# Altium PCB PCB2.PcbDoc (part 2 of 9) (continued)
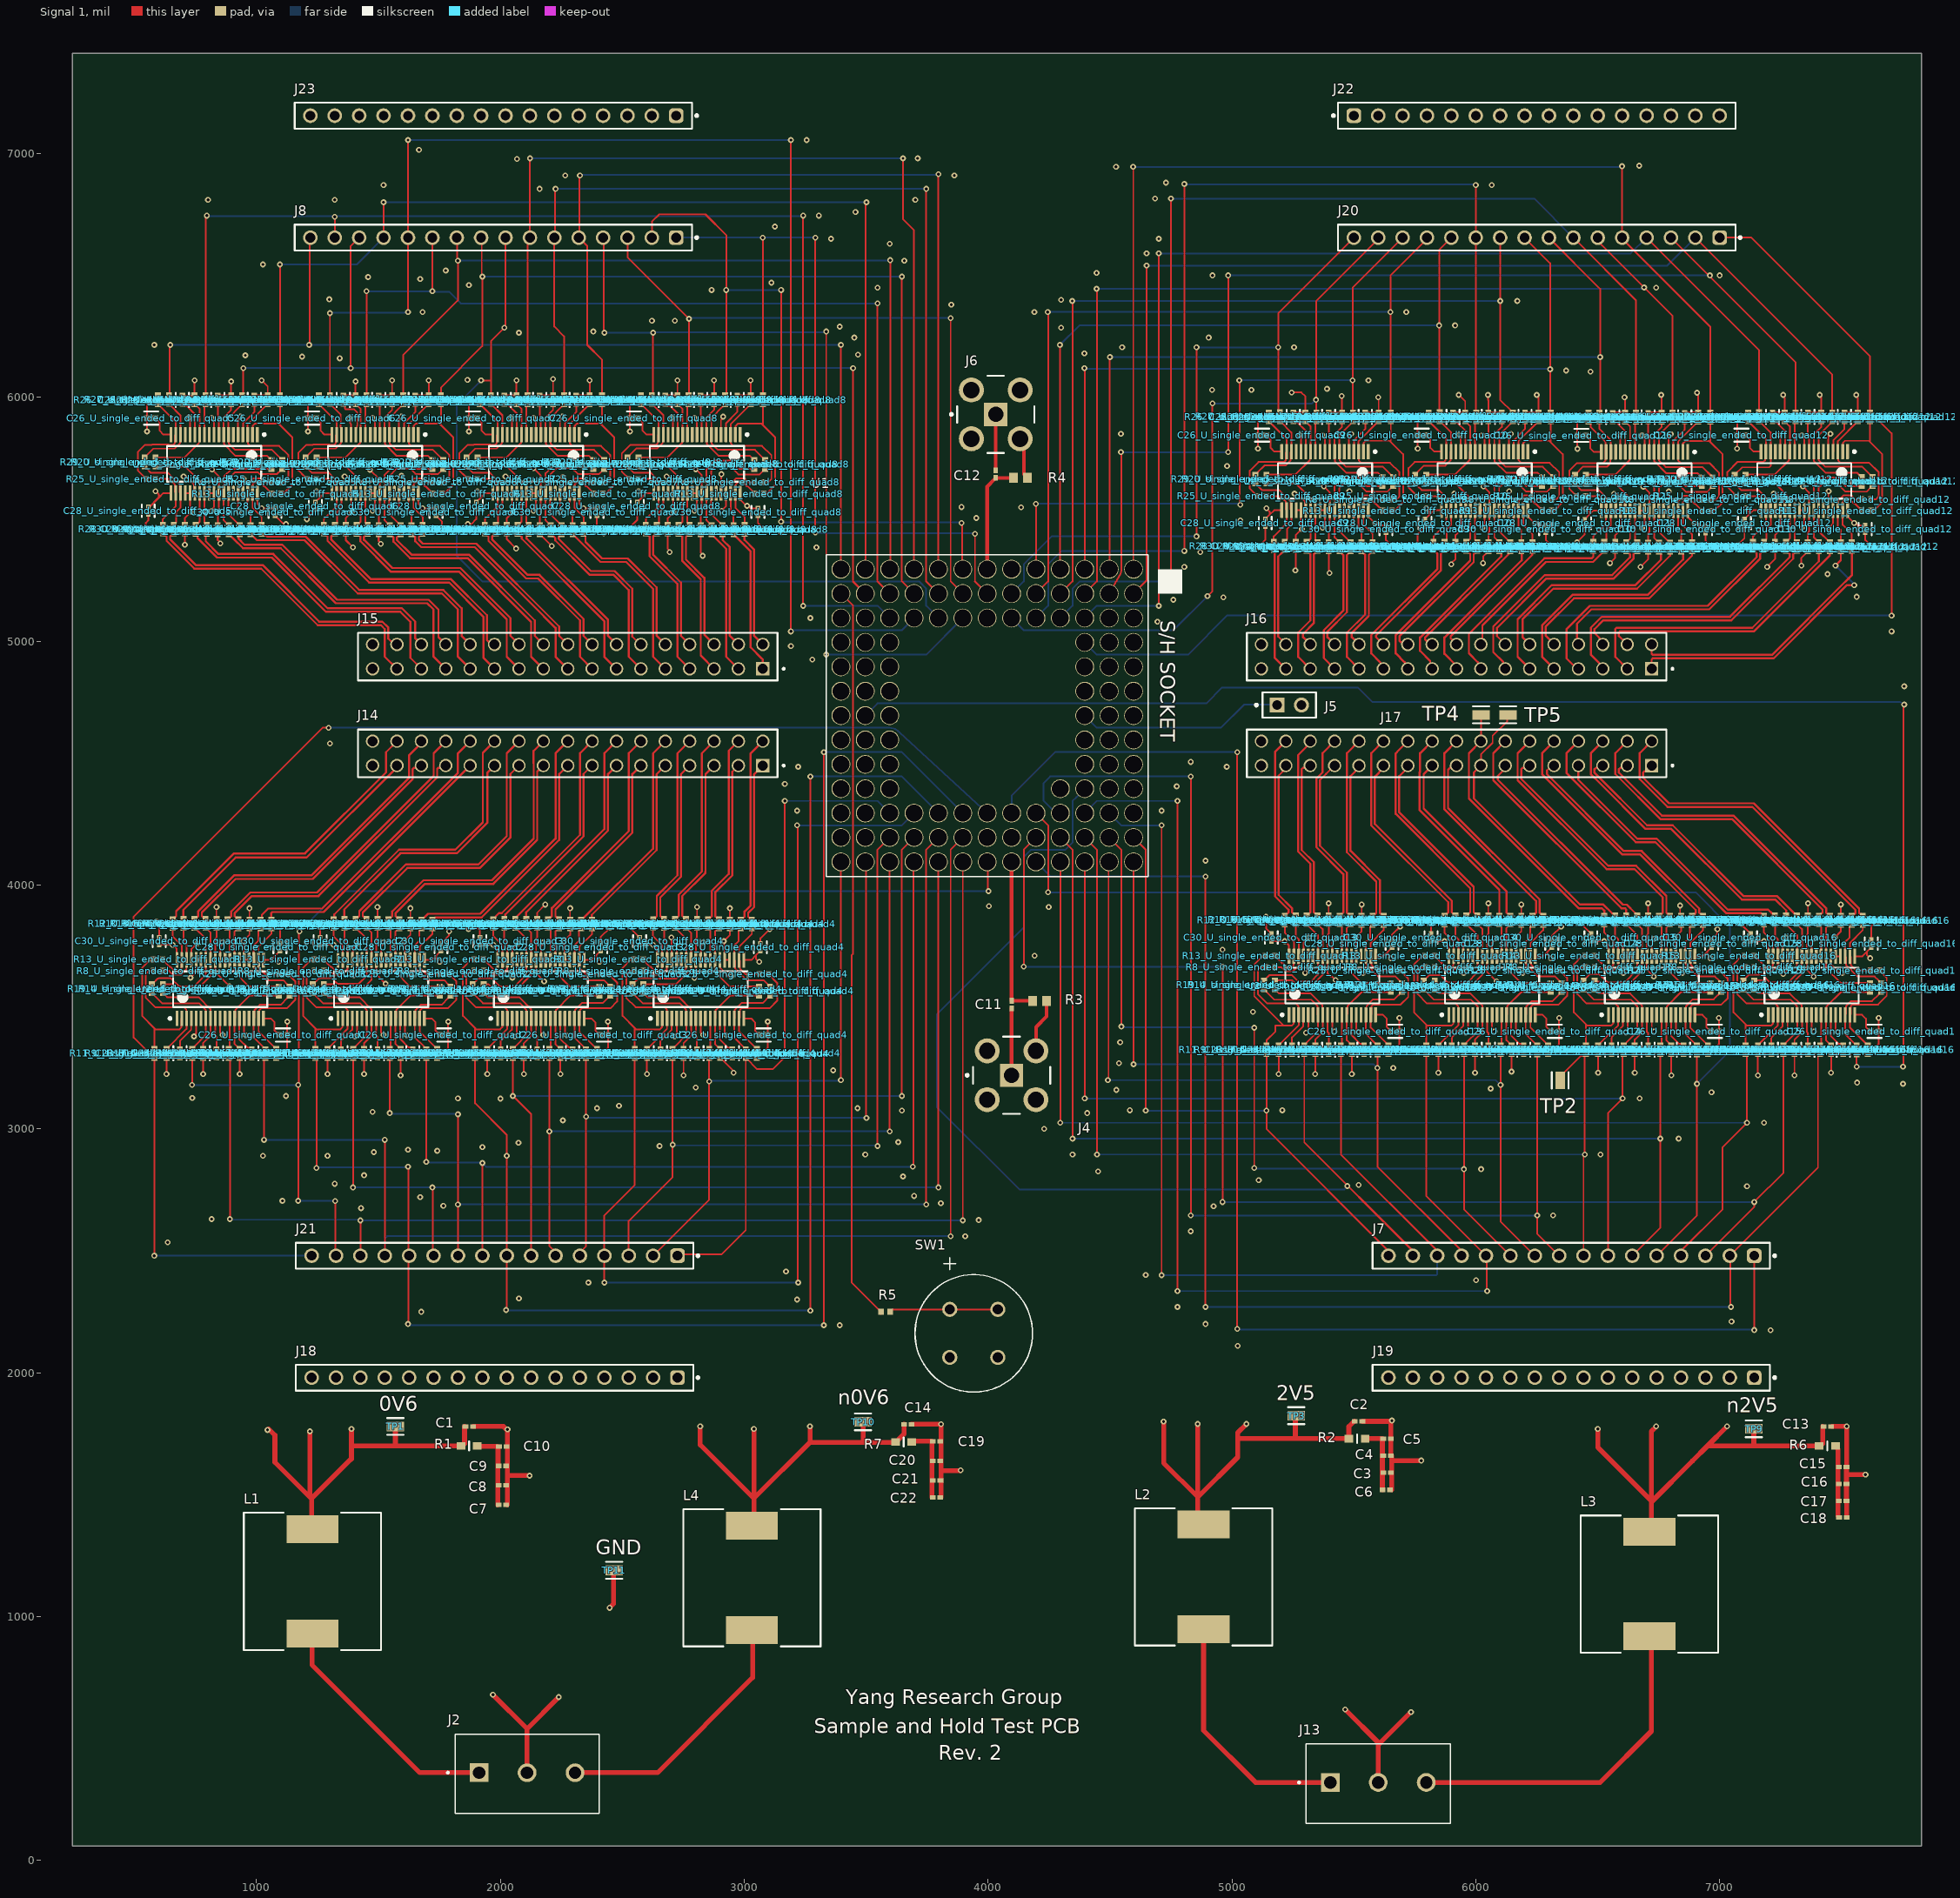
[diagram p0: Signal 1 view]
## Components (designator, comment, footprint, x,y, rotation, side; value= is the part's Value field where it differs from the comment) (continued)
R22_U_single_ended_to_diff_quad1 "RC0402FR-0749R9L" "Res 0402" 926.68,3841.1 r270 top (schematic designator R22)
R22_U_single_ended_to_diff_quad2 "RC0402FR-0749R9L" "Res 0402" 1586.68,3841.1 r270 top (schematic designator R22)
R22_U_single_ended_to_diff_quad3 "RC0402FR-0749R9L" "Res 0402" 2241.68,3841.1 r270 top (schematic designator R22)
R22_U_single_ended_to_diff_quad4 "RC0402FR-0749R9L" "Res 0402" 2896.68,3841.1 r270 top (schematic designator R22)
R22_U_single_ended_to_diff_quad5 "RC0402FR-0749R9L" "Res 0402" 751.68,5458.9 r90 top (schematic designator R22)
R22_U_single_ended_to_diff_quad6 "RC0402FR-0749R9L" "Res 0402" 1411.68,5458.9 r90 top (schematic designator R22)
R22_U_single_ended_to_diff_quad7 "RC0402FR-0749R9L" "Res 0402" 2071.68,5458.9 r90 top (schematic designator R22)
R22_U_single_ended_to_diff_quad8 "RC0402FR-0749R9L" "Res 0402" 2731.68,5458.9 r90 top (schematic designator R22)
R22_U_single_ended_to_diff_quad9 "RC0402FR-0749R9L" "Res 0402" 5306.68,5388.9 r90 top (schematic designator R22)
R22_U_single_ended_to_diff_quad10 "RC0402FR-0749R9L" "Res 0402" 5961.68,5388.9 r90 top (schematic designator R22)
R22_U_single_ended_to_diff_quad11 "RC0402FR-0749R9L" "Res 0402" 6616.68,5387.8 r90 top (schematic designator R22)
R22_U_single_ended_to_diff_quad12 "RC0402FR-0749R9L" "Res 0402" 7271.68,5388.9 r90 top (schematic designator R22)
R22_U_single_ended_to_diff_quad13 "RC0402FR-0749R9L" "Res 0402" 5486.68,3856.1 r270 top (schematic designator R22)
R22_U_single_ended_to_diff_quad14 "RC0402FR-0749R9L" "Res 0402" 6141.68,3856.1 r270 top (schematic designator R22)
R22_U_single_ended_to_diff_quad15 "RC0402FR-0749R9L" "Res 0402" 6796.68,3856.1 r270 top (schematic designator R22)
R22_U_single_ended_to_diff_quad16 "RC0402FR-0749R9L" "Res 0402" 7451.68,3856.1 r270 top (schematic designator R22)
R23_U_single_ended_to_diff_quad1 "ERA-2AEB4990X" "Res 0402" 886.68,3310 r90 top (schematic designator R23)
R23_U_single_ended_to_diff_quad2 "ERA-2AEB4990X" "Res 0402" 1546.68,3310 r90 top (schematic designator R23)
R23_U_single_ended_to_diff_quad3 "ERA-2AEB4990X" "Res 0402" 2201.68,3310 r90 top (schematic designator R23)
R23_U_single_ended_to_diff_quad4 "ERA-2AEB4990X" "Res 0402" 2856.68,3310 r90 top (schematic designator R23)
R23_U_single_ended_to_diff_quad5 "ERA-2AEB4990X" "Res 0402" 791.68,5990 r270 top (schematic designator R23)
R23_U_single_ended_to_diff_quad6 "ERA-2AEB4990X" "Res 0402" 1451.68,5990 r270 top (schematic designator R23)
R23_U_single_ended_to_diff_quad7 "ERA-2AEB4990X" "Res 0402" 2111.68,5990 r270 top (schematic designator R23)
R23_U_single_ended_to_diff_quad8 "ERA-2AEB4990X" "Res 0402" 2771.68,5990 r270 top (schematic designator R23)
R23_U_single_ended_to_diff_quad9 "ERA-2AEB4990X" "Res 0402" 5346.68,5920 r270 top (schematic designator R23)
R23_U_single_ended_to_diff_quad10 "ERA-2AEB4990X" "Res 0402" 6001.68,5920 r270 top (schematic designator R23)
R23_U_single_ended_to_diff_quad11 "ERA-2AEB4990X" "Res 0402" 6656.68,5918.9 r270 top (schematic designator R23)
R23_U_single_ended_to_diff_quad12 "ERA-2AEB4990X" "Res 0402" 7311.68,5920 r270 top (schematic designator R23)
R23_U_single_ended_to_diff_quad13 "ERA-2AEB4990X" "Res 0402" 5446.68,3325 r90 top (schematic designator R23)
R23_U_single_ended_to_diff_quad14 "ERA-2AEB4990X" "Res 0402" 6101.68,3325 r90 top (schematic designator R23)
R23_U_single_ended_to_diff_quad15 "ERA-2AEB4990X" "Res 0402" 6756.68,3325 r90 top (schematic designator R23)
R23_U_single_ended_to_diff_quad16 "ERA-2AEB4990X" "Res 0402" 7411.68,3325 r90 top (schematic designator R23)
R24_U_single_ended_to_diff_quad1 "RC0402FR-0749R9L" "Res 0402" 881.68,3841.69 r270 top (schematic designator R24)
R24_U_single_ended_to_diff_quad2 "RC0402FR-0749R9L" "Res 0402" 1541.68,3841.69 r270 top (schematic designator R24)
R24_U_single_ended_to_diff_quad3 "RC0402FR-0749R9L" "Res 0402" 2196.68,3841.69 r270 top (schematic designator R24)
R24_U_single_ended_to_diff_quad4 "RC0402FR-0749R9L" "Res 0402" 2851.68,3841.69 r270 top (schematic designator R24)
R24_U_single_ended_to_diff_quad5 "RC0402FR-0749R9L" "Res 0402" 796.68,5458.31 r90 top (schematic designator R24)
R24_U_single_ended_to_diff_quad6 "RC0402FR-0749R9L" "Res 0402" 1456.68,5458.31 r90 top (schematic designator R24)
R24_U_single_ended_to_diff_quad7 "RC0402FR-0749R9L" "Res 0402" 2116.68,5458.31 r90 top (schematic designator R24)
R24_U_single_ended_to_diff_quad8 "RC0402FR-0749R9L" "Res 0402" 2776.68,5458.31 r90 top (schematic designator R24)
R24_U_single_ended_to_diff_quad9 "RC0402FR-0749R9L" "Res 0402" 5351.68,5388.31 r90 top (schematic designator R24)
R24_U_single_ended_to_diff_quad10 "RC0402FR-0749R9L" "Res 0402" 6006.68,5388.31 r90 top (schematic designator R24)
R24_U_single_ended_to_diff_quad11 "RC0402FR-0749R9L" "Res 0402" 6661.68,5387.2 r90 top (schematic designator R24)
R24_U_single_ended_to_diff_quad12 "RC0402FR-0749R9L" "Res 0402" 7316.68,5388.31 r90 top (schematic designator R24)
R24_U_single_ended_to_diff_quad13 "RC0402FR-0749R9L" "Res 0402" 5441.68,3856.69 r270 top (schematic designator R24)
R24_U_single_ended_to_diff_quad14 "RC0402FR-0749R9L" "Res 0402" 6096.68,3856.69 r270 top (schematic designator R24)
R24_U_single_ended_to_diff_quad15 "RC0402FR-0749R9L" "Res 0402" 6751.68,3856.69 r270 top (schematic designator R24)
R24_U_single_ended_to_diff_quad16 "RC0402FR-0749R9L" "Res 0402" 7406.68,3856.69 r270 top (schematic designator R24)
R25_U_single_ended_to_diff_quad1 "ERA-2AEB4990X" "Res 0402" 1111.68,3635 r180 top (schematic designator R25)
R25_U_single_ended_to_diff_quad2 "ERA-2AEB4990X" "Res 0402" 1771.68,3635 r180 top (schematic designator R25)
R25_U_single_ended_to_diff_quad3 "ERA-2AEB4990X" "Res 0402" 2426.68,3635 r180 top (schematic designator R25)
R25_U_single_ended_to_diff_quad4 "ERA-2AEB4990X" "Res 0402" 3081.68,3635 r180 top (schematic designator R25)
R25_U_single_ended_to_diff_quad5 "ERA-2AEB4990X" "Res 0402" 566.68,5665 r0 top (schematic designator R25)
R25_U_single_ended_to_diff_quad6 "ERA-2AEB4990X" "Res 0402" 1226.68,5665 r0 top (schematic designator R25)
R25_U_single_ended_to_diff_quad7 "ERA-2AEB4990X" "Res 0402" 1886.68,5665 r0 top (schematic designator R25)
R25_U_single_ended_to_diff_quad8 "ERA-2AEB4990X" "Res 0402" 2546.68,5665 r0 top (schematic designator R25)
R25_U_single_ended_to_diff_quad9 "ERA-2AEB4990X" "Res 0402" 5121.68,5595 r0 top (schematic designator R25)
R25_U_single_ended_to_diff_quad10 "ERA-2AEB4990X" "Res 0402" 5776.68,5595 r0 top (schematic designator R25)
R25_U_single_ended_to_diff_quad11 "ERA-2AEB4990X" "Res 0402" 6431.68,5593.9 r0 top (schematic designator R25)
R25_U_single_ended_to_diff_quad12 "ERA-2AEB4990X" "Res 0402" 7086.68,5595 r0 top (schematic designator R25)
R25_U_single_ended_to_diff_quad13 "ERA-2AEB4990X" "Res 0402" 5671.68,3650 r180 top (schematic designator R25)
R25_U_single_ended_to_diff_quad14 "ERA-2AEB4990X" "Res 0402" 6326.68,3650 r180 top (schematic designator R25)
R25_U_single_ended_to_diff_quad15 "ERA-2AEB4990X" "Res 0402" 6981.68,3650 r180 top (schematic designator R25)
R25_U_single_ended_to_diff_quad16 "ERA-2AEB4990X" "Res 0402" 7636.68,3650 r180 top (schematic designator R25)
R26_U_single_ended_to_diff_quad1 "ERA-2AEB4990X" "Res 0402" 1081.68,3310 r90 top (schematic designator R26)
R26_U_single_ended_to_diff_quad2 "ERA-2AEB4990X" "Res 0402" 1741.68,3310 r90 top (schematic designator R26)
R26_U_single_ended_to_diff_quad3 "ERA-2AEB4990X" "Res 0402" 2396.68,3310 r90 top (schematic designator R26)
R26_U_single_ended_to_diff_quad4 "ERA-2AEB4990X" "Res 0402" 3051.68,3310 r90 top (schematic designator R26)
R26_U_single_ended_to_diff_quad5 "ERA-2AEB4990X" "Res 0402" 596.68,5990 r270 top (schematic designator R26)
R26_U_single_ended_to_diff_quad6 "ERA-2AEB4990X" "Res 0402" 1256.68,5990 r270 top (schematic designator R26)
R26_U_single_ended_to_diff_quad7 "ERA-2AEB4990X" "Res 0402" 1916.68,5990 r270 top (schematic designator R26)
R26_U_single_ended_to_diff_quad8 "ERA-2AEB4990X" "Res 0402" 2576.68,5990 r270 top (schematic designator R26)
R26_U_single_ended_to_diff_quad9 "ERA-2AEB4990X" "Res 0402" 5151.68,5920 r270 top (schematic designator R26)
R26_U_single_ended_to_diff_quad10 "ERA-2AEB4990X" "Res 0402" 5806.68,5920 r270 top (schematic designator R26)
R26_U_single_ended_to_diff_quad11 "ERA-2AEB4990X" "Res 0402" 6461.68,5918.9 r270 top (schematic designator R26)
R26_U_single_ended_to_diff_quad12 "ERA-2AEB4990X" "Res 0402" 7116.68,5920 r270 top (schematic designator R26)
R26_U_single_ended_to_diff_quad13 "ERA-2AEB4990X" "Res 0402" 5641.68,3325 r90 top (schematic designator R26)
R26_U_single_ended_to_diff_quad14 "ERA-2AEB4990X" "Res 0402" 6296.68,3325 r90 top (schematic designator R26)
R26_U_single_ended_to_diff_quad15 "ERA-2AEB4990X" "Res 0402" 6951.68,3325 r90 top (schematic designator R26)
R26_U_single_ended_to_diff_quad16 "ERA-2AEB4990X" "Res 0402" 7606.68,3325 r90 top (schematic designator R26)
R27_U_single_ended_to_diff_quad1 "ERA-2AEB4990X" "Res 0402" 1036.68,3309.05 r90 top (schematic designator R27)
R27_U_single_ended_to_diff_quad2 "ERA-2AEB4990X" "Res 0402" 1696.68,3309.05 r90 top (schematic designator R27)
R27_U_single_ended_to_diff_quad3 "ERA-2AEB4990X" "Res 0402" 2351.68,3309.05 r90 top (schematic designator R27)
R27_U_single_ended_to_diff_quad4 "ERA-2AEB4990X" "Res 0402" 3006.68,3309.05 r90 top (schematic designator R27)
R27_U_single_ended_to_diff_quad5 "ERA-2AEB4990X" "Res 0402" 641.68,5990.95 r270 top (schematic designator R27)
R27_U_single_ended_to_diff_quad6 "ERA-2AEB4990X" "Res 0402" 1301.68,5990.95 r270 top (schematic designator R27)
R27_U_single_ended_to_diff_quad7 "ERA-2AEB4990X" "Res 0402" 1961.68,5990.95 r270 top (schematic designator R27)
R27_U_single_ended_to_diff_quad8 "ERA-2AEB4990X" "Res 0402" 2621.68,5990.95 r270 top (schematic designator R27)
R27_U_single_ended_to_diff_quad9 "ERA-2AEB4990X" "Res 0402" 5196.68,5920.95 r270 top (schematic designator R27)
R27_U_single_ended_to_diff_quad10 "ERA-2AEB4990X" "Res 0402" 5851.68,5920.95 r270 top (schematic designator R27)
R27_U_single_ended_to_diff_quad11 "ERA-2AEB4990X" "Res 0402" 6506.68,5919.85 r270 top (schematic designator R27)
R27_U_single_ended_to_diff_quad12 "ERA-2AEB4990X" "Res 0402" 7161.68,5920.95 r270 top (schematic designator R27)
R27_U_single_ended_to_diff_quad13 "ERA-2AEB4990X" "Res 0402" 5596.68,3324.05 r90 top (schematic designator R27)
R27_U_single_ended_to_diff_quad14 "ERA-2AEB4990X" "Res 0402" 6251.68,3324.05 r90 top (schematic designator R27)
R27_U_single_ended_to_diff_quad15 "ERA-2AEB4990X" "Res 0402" 6906.68,3324.05 r90 top (schematic designator R27)
R27_U_single_ended_to_diff_quad16 "ERA-2AEB4990X" "Res 0402" 7561.68,3324.05 r90 top (schematic designator R27)
R28_U_single_ended_to_diff_quad1 "RC0402FR-0749R9L" "Res 0402" 1061.68,3840 r270 top (schematic designator R28)
R28_U_single_ended_to_diff_quad2 "RC0402FR-0749R9L" "Res 0402" 1721.68,3840 r270 top (schematic designator R28)
R28_U_single_ended_to_diff_quad3 "RC0402FR-0749R9L" "Res 0402" 2376.68,3840 r270 top (schematic designator R28)
R28_U_single_ended_to_diff_quad4 "RC0402FR-0749R9L" "Res 0402" 3031.68,3840 r270 top (schematic designator R28)
R28_U_single_ended_to_diff_quad5 "RC0402FR-0749R9L" "Res 0402" 616.68,5460 r90 top (schematic designator R28)
R28_U_single_ended_to_diff_quad6 "RC0402FR-0749R9L" "Res 0402" 1276.68,5460 r90 top (schematic designator R28)
R28_U_single_ended_to_diff_quad7 "RC0402FR-0749R9L" "Res 0402" 1936.68,5460 r90 top (schematic designator R28)
R28_U_single_ended_to_diff_quad8 "RC0402FR-0749R9L" "Res 0402" 2596.68,5460 r90 top (schematic designator R28)
R28_U_single_ended_to_diff_quad9 "RC0402FR-0749R9L" "Res 0402" 5171.68,5390 r90 top (schematic designator R28)
R28_U_single_ended_to_diff_quad10 "RC0402FR-0749R9L" "Res 0402" 5826.68,5390 r90 top (schematic designator R28)
R28_U_single_ended_to_diff_quad11 "RC0402FR-0749R9L" "Res 0402" 6481.68,5388.9 r90 top (schematic designator R28)
R28_U_single_ended_to_diff_quad12 "RC0402FR-0749R9L" "Res 0402" 7136.68,5390 r90 top (schematic designator R28)
R28_U_single_ended_to_diff_quad13 "RC0402FR-0749R9L" "Res 0402" 5621.68,3855 r270 top (schematic designator R28)
R28_U_single_ended_to_diff_quad14 "RC0402FR-0749R9L" "Res 0402" 6276.68,3855 r270 top (schematic designator R28)
R28_U_single_ended_to_diff_quad15 "RC0402FR-0749R9L" "Res 0402" 6931.68,3855 r270 top (schematic designator R28)
R28_U_single_ended_to_diff_quad16 "RC0402FR-0749R9L" "Res 0402" 7586.68,3855 r270 top (schematic designator R28)
R29_U_single_ended_to_diff_quad1 "ERA-2AEB4990X" "Res 0402" 1136.68,3565 r90 top (schematic designator R29)
R29_U_single_ended_to_diff_quad2 "ERA-2AEB4990X" "Res 0402" 1796.68,3565 r90 top (schematic designator R29)
R29_U_single_ended_to_diff_quad3 "ERA-2AEB4990X" "Res 0402" 2451.68,3565 r90 top (schematic designator R29)
R29_U_single_ended_to_diff_quad4 "ERA-2AEB4990X" "Res 0402" 3106.68,3565 r90 top (schematic designator R29)
R29_U_single_ended_to_diff_quad5 "ERA-2AEB4990X" "Res 0402" 541.68,5735 r270 top (schematic designator R29)
R29_U_single_ended_to_diff_quad6 "ERA-2AEB4990X" "Res 0402" 1201.68,5735 r270 top (schematic designator R29)
R29_U_single_ended_to_diff_quad7 "ERA-2AEB4990X" "Res 0402" 1861.68,5735 r270 top (schematic designator R29)
R29_U_single_ended_to_diff_quad8 "ERA-2AEB4990X" "Res 0402" 2521.68,5735 r270 top (schematic designator R29)
R29_U_single_ended_to_diff_quad9 "ERA-2AEB4990X" "Res 0402" 5096.68,5665 r270 top (schematic designator R29)
R29_U_single_ended_to_diff_quad10 "ERA-2AEB4990X" "Res 0402" 5751.68,5665 r270 top (schematic designator R29)
R29_U_single_ended_to_diff_quad11 "ERA-2AEB4990X" "Res 0402" 6406.68,5663.9 r270 top (schematic designator R29)
R29_U_single_ended_to_diff_quad12 "ERA-2AEB4990X" "Res 0402" 7061.68,5665 r270 top (schematic designator R29)
R29_U_single_ended_to_diff_quad13 "ERA-2AEB4990X" "Res 0402" 5696.68,3580 r90 top (schematic designator R29)
R29_U_single_ended_to_diff_quad14 "ERA-2AEB4990X" "Res 0402" 6351.68,3580 r90 top (schematic designator R29)
R29_U_single_ended_to_diff_quad15 "ERA-2AEB4990X" "Res 0402" 7006.68,3580 r90 top (schematic designator R29)
R29_U_single_ended_to_diff_quad16 "ERA-2AEB4990X" "Res 0402" 7661.68,3580 r90 top (schematic designator R29)
R30_U_single_ended_to_diff_quad1 "RC0402FR-0749R9L" "Res 0402" 1016.68,3840 r270 top (schematic designator R30)
R30_U_single_ended_to_diff_quad2 "RC0402FR-0749R9L" "Res 0402" 1676.68,3840 r270 top (schematic designator R30)
R30_U_single_ended_to_diff_quad3 "RC0402FR-0749R9L" "Res 0402" 2331.68,3840 r270 top (schematic designator R30)
R30_U_single_ended_to_diff_quad4 "RC0402FR-0749R9L" "Res 0402" 2986.68,3840 r270 top (schematic designator R30)
R30_U_single_ended_to_diff_quad5 "RC0402FR-0749R9L" "Res 0402" 661.68,5460 r90 top (schematic designator R30)
R30_U_single_ended_to_diff_quad6 "RC0402FR-0749R9L" "Res 0402" 1321.68,5460 r90 top (schematic designator R30)
R30_U_single_ended_to_diff_quad7 "RC0402FR-0749R9L" "Res 0402" 1981.68,5460 r90 top (schematic designator R30)
R30_U_single_ended_to_diff_quad8 "RC0402FR-0749R9L" "Res 0402" 2641.68,5460 r90 top (schematic designator R30)
R30_U_single_ended_to_diff_quad9 "RC0402FR-0749R9L" "Res 0402" 5216.68,5390 r90 top (schematic designator R30)
R30_U_single_ended_to_diff_quad10 "RC0402FR-0749R9L" "Res 0402" 5871.68,5390 r90 top (schematic designator R30)
R30_U_single_ended_to_diff_quad11 "RC0402FR-0749R9L" "Res 0402" 6526.68,5388.9 r90 top (schematic designator R30)
R30_U_single_ended_to_diff_quad12 "RC0402FR-0749R9L" "Res 0402" 7181.68,5390 r90 top (schematic designator R30)
R30_U_single_ended_to_diff_quad13 "RC0402FR-0749R9L" "Res 0402" 5576.68,3855 r270 top (schematic designator R30)
R30_U_single_ended_to_diff_quad14 "RC0402FR-0749R9L" "Res 0402" 6231.68,3855 r270 top (schematic designator R30)
R30_U_single_ended_to_diff_quad15 "RC0402FR-0749R9L" "Res 0402" 6886.68,3855 r270 top (schematic designator R30)
R30_U_single_ended_to_diff_quad16 "RC0402FR-0749R9L" "Res 0402" 7541.68,3855 r270 top (schematic designator R30)
SW1 "D6R90F2LFS" D6R90_CNK 3843.15,2260 r0 top
TP1 "S2761-46R" FP-S2761-46R-MFG 1570,1780 r0 top
TP2 "S2761-46R" FP-S2761-46R-MFG 6346,3199 r90 top
TP3 "S2761-46R" FP-S2761-46R-MFG 5264,1824 r0 top
TP4 "S2761-46R" FP-S2761-46R-MFG 6022,4698 r180 top
TP5 "S2761-46R" FP-S2761-46R-MFG 6132,4698 r180 top
TP9 "S2761-46R" FP-S2761-46R-MFG 7140,1770 r0 top
TP10 "S2761-46R" FP-S2761-46R-MFG 3488,1799 r0 top
TP11 "S2761-46R" FP-S2761-46R-MFG 2467,1190 r0 top
U1 "SAMPLE_AND_HOLD" S&H_SOCKET 3996.68,4695 r270 top
U2_U_single_ended_to_diff_quad1 "THS4524IDBT" DBT0038A_M 851.68,3572.8 r90 top (schematic designator U2)
U2_U_single_ended_to_diff_quad2 "THS4524IDBT" DBT0038A_M 1511.68,3572.8 r90 top (schematic designator U2)
U2_U_single_ended_to_diff_quad3 "THS4524IDBT" DBT0038A_M 2166.68,3572.8 r90 top (schematic designator U2)
U2_U_single_ended_to_diff_quad4 "THS4524IDBT" DBT0038A_M 2821.68,3572.8 r90 top (schematic designator U2)
U2_U_single_ended_to_diff_quad5 "THS4524IDBT" DBT0038A_M 826.68,5727.2 r270 top (schematic designator U2)
U2_U_single_ended_to_diff_quad6 "THS4524IDBT" DBT0038A_M 1486.68,5727.2 r270 top (schematic designator U2)
U2_U_single_ended_to_diff_quad7 "THS4524IDBT" DBT0038A_M 2146.68,5727.2 r270 top (schematic designator U2)
U2_U_single_ended_to_diff_quad8 "THS4524IDBT" DBT0038A_M 2806.68,5727.2 r270 top (schematic designator U2)
U2_U_single_ended_to_diff_quad9 "THS4524IDBT" DBT0038A_M 5381.68,5657.2 r270 top (schematic designator U2)
U2_U_single_ended_to_diff_quad10 "THS4524IDBT" DBT0038A_M 6036.68,5657.2 r270 top (schematic designator U2)
U2_U_single_ended_to_diff_quad11 "THS4524IDBT" DBT0038A_M 6691.68,5656.1 r270 top (schematic designator U2)
U2_U_single_ended_to_diff_quad12 "THS4524IDBT" DBT0038A_M 7346.68,5657.2 r270 top (schematic designator U2)
U2_U_single_ended_to_diff_quad13 "THS4524IDBT" DBT0038A_M 5411.68,3587.8 r90 top (schematic designator U2)
U2_U_single_ended_to_diff_quad14 "THS4524IDBT" DBT0038A_M 6066.68,3587.8 r90 top (schematic designator U2)
U2_U_single_ended_to_diff_quad15 "THS4524IDBT" DBT0038A_M 6721.68,3587.8 r90 top (schematic designator U2)
U2_U_single_ended_to_diff_quad16 "THS4524IDBT" DBT0038A_M 7376.68,3587.8 r90 top (schematic designator U2)

## Footprints (in the part's own frame and the unit in brackets; to place one, negate y for a bottom-side part, rotate by r counter-clockwise, add the part's x,y. Pads: shape width x height; smd on the part's side, far side on the other; paste and mask are expansions set on the pad)
61301611821 [mm] "Socket Header, Pitch 2.54 mm, THT, Vertical, single row, 16p"
  rrect50% 1.52x1.52 hole 1.02: 1(-19.05,0)
  round 1.52 hole 1.02: 2(-16.51,0) 3(-13.97,0) 4(-11.43,0) 5(-8.89,0) 6(-6.35,0) 7(-3.81,0) 8(-1.27,0) 9(1.27,0) 10(3.81,0) 11(6.35,0) 12(8.89,0) 13(11.43,0) 14(13.97,0) 15(16.51,0) 16(19.05,0)
  silkscreen extent -21.31,-1.35 20.7,1.35, body extent -20.57,-1.25 20.57,1.25, height 8.55
"Cap 0301" [mm] "Cap 0301"
  rect 0.6x0.46 smd: 1(-0.39,0) 2(0.39,0)
  body extent -0.46,-0.19 0.46,0.19, height 0.4
"Cap 0402" [mm] "Cap 0402"
  rect 0.56x0.62 smd: 1(-0.48,0) 2(0.48,0)
  body extent -0.53,-0.28 0.53,0.27, height 0.55
D6R90_CNK [mil]
  round 62 / inner round 60 / far side round 62 hole 42 paste-99999 mask+0: 1(0,0) 2(196.85,0) 3(196.85,-196.85) 4(0,-196.85)
  silkscreen extent -143,-339 339,213
DBT0038A_M [mm] "SOP, 38-Leads, Body 9.8x4.5mm, Pitch 0.5mm, IPC Low Density"
  rrect33% 1.6x0.3 smd: 1(-3.05,4.5) 2(-3.05,4) 3(-3.05,3.5) 4(-3.05,3) 5(-3.05,2.5) 6(-3.05,2) 7(-3.05,1.5) 8(-3.05,1) 9(-3.05,0.5) 10(-3.05,0) 11(-3.05,-0.5) 12(-3.05,-1) 13(-3.05,-1.5) 14(-3.05,-2) 15(-3.05,-2.5) 16(-3.05,-3) 17(-3.05,-3.5) 18(-3.05,-4) 19(-3.05,-4.5) 20(3.05,-4.5) 21(3.05,-4) 22(3.05,-3.5) 23(3.05,-3) 24(3.05,-2.5) 25(3.05,-2) 26(3.05,-1.5) 27(3.05,-1) 28(3.05,-0.5) 29(3.05,0) 30(3.05,0.5) 31(3.05,1) 32(3.05,1.5) 33(3.05,2) 34(3.05,2.5) 35(3.05,3) 36(3.05,3.5) 37(3.05,4) 38(3.05,4.5)
  silkscreen extent -3.17,-4.9 1.85,5.35, body extent -3.21,-4.85 3.21,4.85, height 1.2
FP-142-0701-201-MFG [mil]
  rect 95.46x95.46 hole 62 paste-99999 mask+0: 1(0,0)
  round 102.43 hole 67 paste-99999 mask+0: 2(-100,100) 3(100,100) 4(-100,-100) 5(100,-100)
  silkscreen extent -187,-158 158,158, body extent -162,-162 162,162, height 10
FP-CL17-IPC_B [mil]
  rect 24.23x22.54 smd paste+0 mask+0: 1(-16.87,0) 2(16.87,0)
  silkscreen extent -29,-27 29,27, body extent -35,-17 35,17, height 10
FP-CL17-IPC_C [mil]
  rect 20.29x18.6 smd paste+0 mask+0: 1(-14.9,0) 2(14.9,0)
  silkscreen extent -25,-27 25,27, body extent -29,-15 29,15, height 10
FP-M20-9990246-MFG [mm]
  rect 1.57x1.57 hole 1.02 paste-2539.97 mask+0: 1(-1.27,0)
  round 1.57 hole 1.02 paste-2539.97 mask+0: 2(1.27,0)
  silkscreen extent -3.55,-1.32 2.79,1.32, body extent -2.89,-1.42 2.89,1.42, height 0.25
FP-RC0603-0_55-MFG [mm]
  rect 0.9x0.8 smd paste+0 mask+0: 1(-0.85,0) 2(0.85,0)
  silkscreen extent 0,-0.45 0,0.45, body extent -1.4,-0.55 1.4,0.55, height 0.25
FP-S2761-46R-MFG [mm]
  rect 1.8x1 smd paste+0 mask+0: 1(0,0)
  silkscreen extent -0.85,-0.87 0.85,0.87, body extent -1,-0.6 1,0.6, height 0.25
PHOENIX_1935174 [mm]
  rect 1.95x1.95 / inner round 1.95 / far side rect 1.95x1.95 hole 1.3: 1(2.5,4.25)
  round 1.95 hole 1.3: 2(7.5,4.25) 3(12.5,4.25)
  silkscreen extent -0.85,0 15,8.25, body extent -0.1,-0.75 15.57,8.25, height 11.55
"Res 0402" [mm] "Chip Resistor, 2-Leads, Body 1.00x0.50mm, IPC Medium Density"
  rect 0.56x0.62 smd: 1(-0.48,0) 2(0.48,0)
  body extent -0.53,-0.28 0.53,0.27, height 0.55
RESC1608X55X30ML15T15 [mm] "Chip Resistor, 2-Leads, Body 1.60x0.80mm, IPC Low Density"
  rect 0.9x1.05 smd: 1(-0.725,0) 2(0.725,0)
  body extent -0.87,-0.48 0.87,0.48, height 0.55
S&H_SOCKET [mil] "Socket for sample and hold circuit."
  round 77 hole 70 mask+0: A1(600,600) A2(500,600) A3(400,600) A4(300,600) A5(200,600) A6(100,600) A7(0,600) A8(-100,600) A9(-200,600) A10(-300,600) A11(-400,600) A12(-500,600) A13(-600,600) B1(600,500) B2(500,500) B3(400,500) B4(300,500) B5(200,500) B6(100,500) B7(0,500) B8(-100,500) B9(-200,500) B10(-300,500) B11(-400,500) B12(-500,500) B13(-600,500) C1(600,400) C2(500,400) C3(400,400) C4(300,400) C5(200,400) C6(100,400) C7(0,400) C8(-100,400) C9(-200,400) C10(-300,400) C11(-400,400) C12(-500,400) C13(-600,400) D1(600,300) D2(500,300) D3(400,300) D4(300,300) D11(-400,300) D12(-500,300) D13(-600,300) E1(600,200) E2(500,200) E3(400,200) E11(-400,200) E12(-500,200) E13(-600,200) F1(600,100) F2(500,100) F3(400,100) F11(-400,100) F12(-500,100) F13(-600,100) G1(600,0) G2(500,0) G3(400,0) G11(-400,0) G12(-500,0) G13(-600,0) H1(600,-100) H2(500,-100) H3(400,-100) H11(-400,-100) H12(-500,-100) H13(-600,-100) J1(600,-200) J2(500,-200) J3(400,-200) J11(-400,-200) J12(-500,-200) J13(-600,-200) K1(600,-300) K2(500,-300) K3(400,-300) K11(-400,-300) K12(-500,-300) K13(-600,-300) L1(600,-400) L2(500,-400) L3(400,-400) L4(300,-400) L5(200,-400) L6(100,-400) L7(0,-400) L8(-100,-400) L9(-200,-400) L10(-300,-400) L11(-400,-400) L12(-500,-400) L13(-600,-400) M1(600,-500) M2(500,-500) M3(400,-500) M4(300,-500) M5(200,-500) M6(100,-500) M7(0,-500) M8(-100,-500) M9(-200,-500) M10(-300,-500) M11(-400,-500) M12(-500,-500) M13(-600,-500) N2(500,-600) N3(400,-600) N4(300,-600) N5(200,-600) N6(100,-600) N7(0,-600) N8(-100,-600) N9(-200,-600) N10(-300,-600) N11(-400,-600) N12(-500,-600) N13(-600,-600)
  round 77 / inner round 82 / far side round 77 hole 70 mask+0: N1(600,-600)
  silkscreen extent -660,-660 660,800
SAMTEC_ESW-117-44-G-D [mm]
  rect 1.39x1.39 / inner round 1.39 / far side rect 1.39x1.39 hole 1.04: 01(20.32,-1.27)
  round 1.39 hole 1.04: 02(20.32,1.27) 03(17.78,-1.27) 04(17.78,1.27) 05(15.24,-1.27) 06(15.24,1.27) 07(12.7,-1.27) 08(12.7,1.27) 09(10.16,-1.27) 10(10.16,1.27) 11(7.62,-1.27) 12(7.62,1.27) 13(5.08,-1.27) 14(5.08,1.27) 15(2.54,-1.27) 16(2.54,1.27) 17(0,-1.27) 18(0,1.27) 19(-2.54,-1.27) 20(-2.54,1.27) 21(-5.08,-1.27) 22(-5.08,1.27) 23(-7.62,-1.27) 24(-7.62,1.27) 25(-10.16,-1.27) 26(-10.16,1.27) 27(-12.7,-1.27) 28(-12.7,1.27) 29(-15.24,-1.27) 30(-15.24,1.27) 31(-17.78,-1.27) 32(-17.78,1.27) 33(-20.32,-1.27) 34(-20.32,1.27)
  silkscreen extent -21.85,-2.47 22.59,2.47
WE-HCM_1350_L13.5W13.3H5 [mm] "SMT High Current Flat Wire Inductor, 2-Leads, body 13.5x13.3mm"
  rect 2.9x5.4 smd: 1(-5.45,0) 2(5.45,0)
  silkscreen extent -7.15,-7.15 7.15,7.15, body extent -6.75,-6.65 6.75,6.65, height 5.02

## Part data
C1 C2 C3 C4 C5 C6 C7 C8 C9 C10 C11 C12 C13 C14 C15 C16 C17 C18 C19 C20 C21 C22: "Ceramic Capacitor, Ceramic, 6.3V, 20% +Tol, 20% -Tol, -/+15ppm/Cel TC, 0.1uF, 0301", Capacitance=100nF, Capacitor Type=Ceramic, Manufacturer="American Technical Ceramics", Manufacturer Part Number=550U104MCAT, Max Operating Temperature=85°C, Min Operating Temperature=-55°C, Negative Tolerance=20%, Package Style=SMTMeter, Rated DC Voltage (URdc)=6.3V, Supplier Part Number 1=1284-550U104MCATCT-ND, Category="Ceramic Capacitors", ComponentLink1Description=https://datasheet.ciiva.com:443/pdfs/VipMasterIC/IC/ATCC/ATCC-S-A0000041421/ATCC-S-A0000041421-1.pdf?src-supplier=IHS+Markit, ComponentLink1URL=https://datasheet.ciiva.com:443/pdfs/VipMasterIC/IC/ATCC/ATCC-S-A0000041421/ATCC-S-A0000041421-1.pdf?src-supplier=IHS+Markit, ComponentLink2Description=https://datasheet.octopart.com/550U104MCAT-KYOCERA-AVX-datasheet-153057315.pdf?src-supplier=Future+Electronics, ComponentLink2URL=https://datasheet.octopart.com/550U104MCAT-KYOCERA-AVX-datasheet-153057315.pdf?src-supplier=Future+Electronics, Dielectric Material=Ceramic, Height=0.38mm, JESD-609 Code=e4, LatestRevisionDate=17-Jul-2002, LatestRevisionNote="Re-released for DXP Platform.", Length=0.86mm, Number of Pins=2, PackageDescription="Radial Cap, Thru-Hole; 2 Leads; 0.3 in Pin Spacing", PackageReference=RAD-0.3, Packaging="Tape and Reel", Positive Tolerance=20%, Pricing 1="1=7.6, 10=6.588, 50=5.9118, 100=5.1349 (USD)", Published=8-Jun-2000, Publisher="Altium Limited", Reach SVHC Compliant=Yes, RoHS=Yes, RoHS Compliant=Yes, Series=550U, Size Code=0301, Stock 1=1832, Supplier 1=Digikey, Terminal Finish=Nickel, Width=0.33mm
C23_U_single_ended_to_diff_quad1 C23_U_single_ended_to_diff_quad2 C23_U_single_ended_to_diff_quad3 C23_U_single_ended_to_diff_quad4 C23_U_single_ended_to_diff_quad5 C23_U_single_ended_to_diff_quad6 C23_U_single_ended_to_diff_quad7 C23_U_single_ended_to_diff_quad8 C23_U_single_ended_to_diff_quad9 C23_U_single_ended_to_diff_quad10 C23_U_single_ended_to_diff_quad11 C23_U_single_ended_to_diff_quad12 C23_U_single_ended_to_diff_quad13 C23_U_single_ended_to_diff_quad14 C23_U_single_ended_to_diff_quad15 C23_U_single_ended_to_diff_quad16 C24_U_single_ended_to_diff_quad1 C24_U_single_ended_to_diff_quad2 C24_U_single_ended_to_diff_quad3 C24_U_single_ended_to_diff_quad4 C24_U_single_ended_to_diff_quad5 C24_U_single_ended_to_diff_quad6 C24_U_single_ended_to_diff_quad7 C24_U_single_ended_to_diff_quad8 C24_U_single_ended_to_diff_quad9 C24_U_single_ended_to_diff_quad10 C24_U_single_ended_to_diff_quad11 C24_U_single_ended_to_diff_quad12 C24_U_single_ended_to_diff_quad13 C24_U_single_ended_to_diff_quad14 C24_U_single_ended_to_diff_quad15 C24_U_single_ended_to_diff_quad16 C25_U_single_ended_to_diff_quad1 C25_U_single_ended_to_diff_quad2 C25_U_single_ended_to_diff_quad3 C25_U_single_ended_to_diff_quad4 C25_U_single_ended_to_diff_quad5 C25_U_single_ended_to_diff_quad6 C25_U_single_ended_to_diff_quad7 C25_U_single_ended_to_diff_quad8 C25_U_single_ended_to_diff_quad9 C25_U_single_ended_to_diff_quad10 C25_U_single_ended_to_diff_quad11 C25_U_single_ended_to_diff_quad12 C25_U_single_ended_to_diff_quad13 C25_U_single_ended_to_diff_quad14 C25_U_single_ended_to_diff_quad15 C25_U_single_ended_to_diff_quad16 C26_U_single_ended_to_diff_quad1 C26_U_single_ended_to_diff_quad2 C26_U_single_ended_to_diff_quad3 C26_U_single_ended_to_diff_quad4 C26_U_single_ended_to_diff_quad5 C26_U_single_ended_to_diff_quad6 C26_U_single_ended_to_diff_quad7 C26_U_single_ended_to_diff_quad8 C26_U_single_ended_to_diff_quad9 C26_U_single_ended_to_diff_quad10 C26_U_single_ended_to_diff_quad11 C26_U_single_ended_to_diff_quad12 C26_U_single_ended_to_diff_quad13 C26_U_single_ended_to_diff_quad14 C26_U_single_ended_to_diff_quad15 C26_U_single_ended_to_diff_quad16 C28_U_single_ended_to_diff_quad1 C28_U_single_ended_to_diff_quad2 C28_U_single_ended_to_diff_quad3 C28_U_single_ended_to_diff_quad4 C28_U_single_ended_to_diff_quad5 C28_U_single_ended_to_diff_quad6 C28_U_single_ended_to_diff_quad7 C28_U_single_ended_to_diff_quad8 C28_U_single_ended_to_diff_quad9 C28_U_single_ended_to_diff_quad10 C28_U_single_ended_to_diff_quad11 C28_U_single_ended_to_diff_quad12 C28_U_single_ended_to_diff_quad13 C28_U_single_ended_to_diff_quad14 C28_U_single_ended_to_diff_quad15 C28_U_single_ended_to_diff_quad16 C30_U_single_ended_to_diff_quad1 C30_U_single_ended_to_diff_quad2 C30_U_single_ended_to_diff_quad3 C30_U_single_ended_to_diff_quad4 C30_U_single_ended_to_diff_quad5 C30_U_single_ended_to_diff_quad6 C30_U_single_ended_to_diff_quad7 C30_U_single_ended_to_diff_quad8 C30_U_single_ended_to_diff_quad9 C30_U_single_ended_to_diff_quad10 C30_U_single_ended_to_diff_quad11 C30_U_single_ended_to_diff_quad12 C30_U_single_ended_to_diff_quad13 C30_U_single_ended_to_diff_quad14 C30_U_single_ended_to_diff_quad15 C30_U_single_ended_to_diff_quad16: library part CMP-13271-001069-1, "Cap Ceramic 100nF 10V X7R ±10% SMD 0402 +125°C Paper T/R", Capacitance=100nF, Case Code (Imperial)=0402, Case Code (Metric)=1005, Dielectric=X7R, Max Operating Temperature=125°C, Min Operating Temperature=-55°C, Package Quantity=1, Tolerance=10%, Voltage Rating=10V, Case/Package=0402, Contact Plating=Tin, Depth=0.5mm, Height=0.5mm, Length=1mm, Mount="Surface Mount", Packaging="Tape and Reel", Radiation Hardening=No, Thickness=0.022inch, Width=0.02inch